# KiCad board first_keyboard.kicad_pcb (continued)
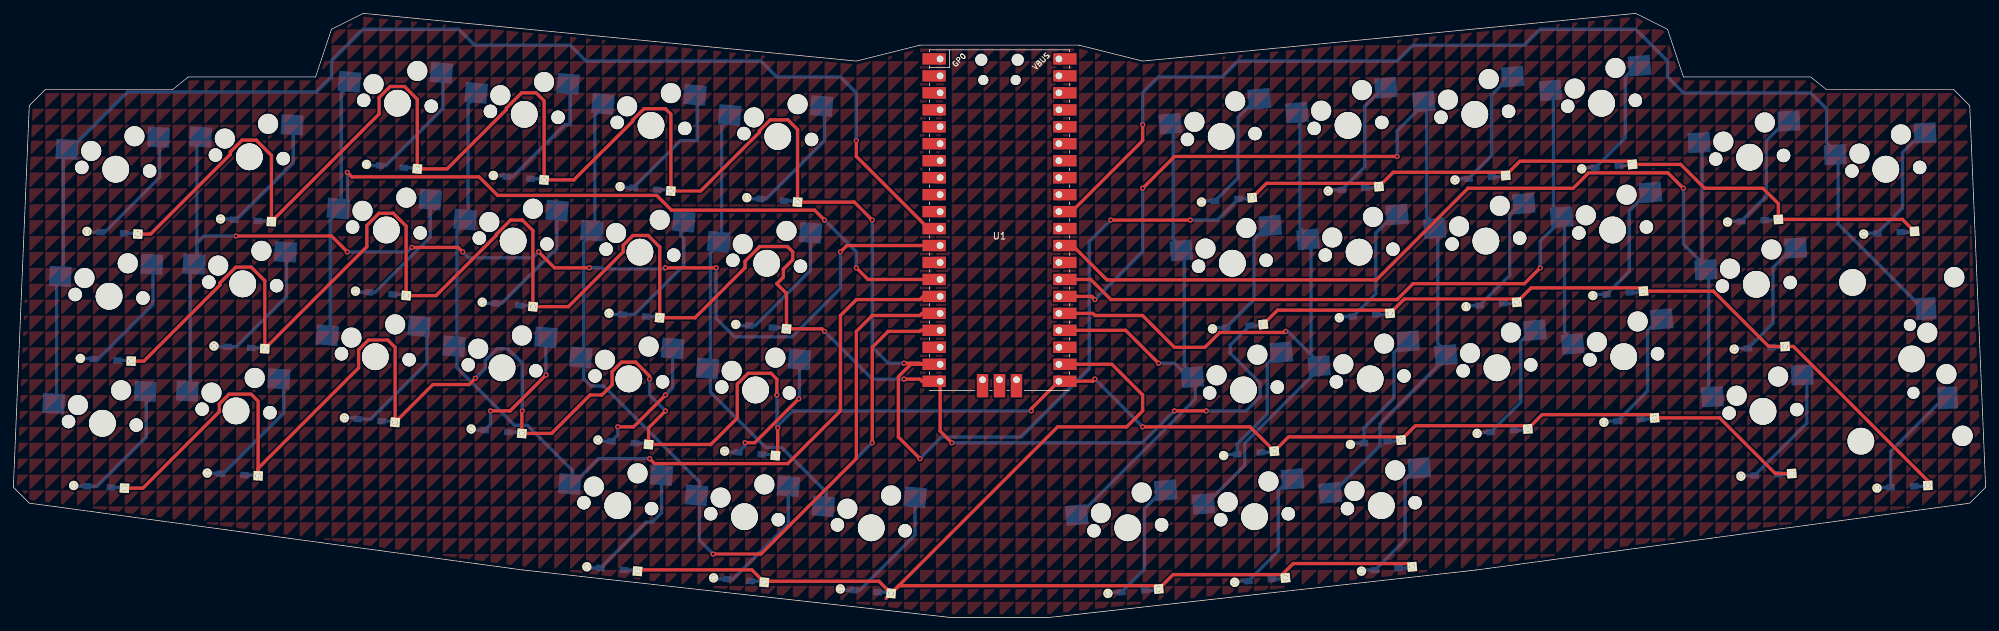
[diagram p0: board, top side]
## Copper pours and planes (outline as drawn; the poured copper is in the pictures) (continued)
(no net) on Top, Bottom: 276.22,119.06 276.22,116.68 278.61,119.06
(no net) on Top, Bottom: 280.99,-28.57 280.99,-30.96 283.37,-28.57
(no net) on Top, Bottom: 152.4,109.54 152.4,107.16 154.78,109.54
(no net) on Top, Bottom: 80.96,-2.38 80.96,-4.76 83.34,-2.38
(no net) on Top, Bottom: 154.78,7.14 154.78,4.76 157.16,7.14
(no net) on Top, Bottom: 145.26,140.49 145.26,138.11 147.64,140.49
(no net) on Top, Bottom: 23.81,42.86 23.81,40.48 26.19,42.86
(no net) on Top, Bottom: 192.88,0 192.88,-2.38 195.26,0
(no net) on Top, Bottom: 66.67,107.16 66.67,104.78 69.06,107.16
(no net) on Top, Bottom: 142.88,-35.72 142.88,-38.1 145.26,-35.72
(no net) on Top, Bottom: 69.06,21.43 69.06,19.05 71.44,21.43
(no net) on Top, Bottom: 54.77,-2.38 54.77,-4.76 57.15,-2.38
(no net) on Top, Bottom: 273.84,147.64 273.84,145.26 276.22,147.64
(no net) on Top, Bottom: 171.45,50.01 171.45,47.62 173.83,50.01
(no net) on Top, Bottom: 197.64,-38.1 197.64,-40.48 200.02,-38.1
(no net) on Top, Bottom: 230.98,42.86 230.98,40.48 233.36,42.86
(no net) on Top, Bottom: 42.86,97.63 42.86,95.25 45.24,97.63
(no net) on Top, Bottom: 178.59,138.11 178.59,135.73 180.98,138.11
(no net) on Top, Bottom: 97.63,-23.81 97.63,-26.19 100.01,-23.81
(no net) on Top, Bottom: 102.39,133.35 102.39,130.97 104.77,133.35
(no net) on Top, Bottom: 176.21,150.02 176.21,147.64 178.59,150.02
(no net) on Top, Bottom: 7.14,104.78 7.14,102.39 9.53,104.78
(no net) on Top, Bottom: 302.42,95.25 302.42,92.87 304.8,95.25
(no net) on Top, Bottom: 104.77,-38.1 104.77,-40.48 107.16,-38.1
(no net) on Top, Bottom: 242.89,71.44 242.89,69.06 245.27,71.44
(no net) on Top, Bottom: 54.77,21.43 54.77,19.05 57.15,21.43
(no net) on Top, Bottom: 235.74,66.68 235.74,64.29 238.12,66.68
(no net) on Top, Bottom: 180.98,0 180.98,-2.38 183.36,0
(no net) on Top, Bottom: 109.54,71.44 109.54,69.06 111.92,71.44
(no net) on Top, Bottom: 64.29,38.1 64.29,35.72 66.67,38.1
(no net) on Top, Bottom: 107.16,-9.53 107.16,-11.91 109.54,-9.53
(no net) on Top, Bottom: 97.63,142.88 97.63,140.49 100.01,142.88
(no net) on Top, Bottom: 73.82,61.91 73.82,59.53 76.2,61.91
(no net) on Top, Bottom: 230.98,147.64 230.98,145.26 233.36,147.64
(no net) on Top, Bottom: 28.58,59.53 28.58,57.15 30.96,59.53
(no net) on Top, Bottom: 38.1,-9.53 38.1,-11.91 40.48,-9.53
(no net) on Top, Bottom: 261.94,142.88 261.94,140.49 264.32,142.88
(no net) on Top, Bottom: 78.58,16.67 78.58,14.29 80.96,16.67
(no net) on Top, Bottom: 42.86,-2.38 42.86,-4.76 45.24,-2.38
(no net) on Top, Bottom: 242.89,90.49 242.89,88.11 245.27,90.49
(no net) on Top, Bottom: 69.06,57.15 69.06,54.77 71.44,57.15
(no net) on Top, Bottom: 104.77,7.14 104.77,4.76 107.16,7.14
(no net) on Top, Bottom: 252.41,128.59 252.41,126.21 254.79,128.59
(no net) on Top, Bottom: 42.86,145.26 42.86,142.88 45.24,145.26
(no net) on Top, Bottom: 2.38,28.57 2.38,26.19 4.76,28.57
(no net) on Top, Bottom: 100.01,14.29 100.01,11.91 102.39,14.29
(no net) on Top, Bottom: 280.99,42.86 280.99,40.48 283.37,42.86
(no net) on Top, Bottom: 188.12,40.48 188.12,38.1 190.5,40.48
(no net) on Top, Bottom: 273.84,54.77 273.84,52.39 276.22,54.77
(no net) on Top, Bottom: 80.96,11.91 80.96,9.53 83.34,11.91
(no net) on Top, Bottom: 242.89,-11.91 242.89,-14.29 245.27,-11.91
(no net) on Top, Bottom: 57.15,140.49 57.15,138.11 59.53,140.49
(no net) on Top, Bottom: 197.64,90.49 197.64,88.11 200.02,90.49
(no net) on Top, Bottom: 238.12,147.64 238.12,145.26 240.51,147.64
(no net) on Top, Bottom: 169.07,59.53 169.07,57.15 171.45,59.53
(no net) on Top, Bottom: 119.06,128.59 119.06,126.21 121.44,128.59
(no net) on Top, Bottom: 76.2,9.53 76.2,7.14 78.58,9.53
(no net) on Top, Bottom: 97.63,73.82 97.63,71.44 100.01,73.82
(no net) on Top, Bottom: 257.18,0 257.18,-2.38 259.56,0
(no net) on Top, Bottom: 304.8,38.1 304.8,35.72 307.18,38.1
(no net) on Top, Bottom: 219.07,85.72 219.07,83.34 221.46,85.72
(no net) on Top, Bottom: 57.15,-21.43 57.15,-23.81 59.53,-21.43
(no net) on Top, Bottom: 266.7,-28.57 266.7,-30.96 269.08,-28.57
(no net) on Top, Bottom: 88.11,123.83 88.11,121.44 90.49,123.83
(no net) on Top, Bottom: 180.98,138.11 180.98,135.73 183.36,138.11
(no net) on Top, Bottom: 9.53,-28.57 9.53,-30.96 11.91,-28.57
(no net) on Top, Bottom: 88.11,9.53 88.11,7.14 90.49,9.53
(no net) on Top, Bottom: 161.93,-19.05 161.93,-21.43 164.31,-19.05
(no net) on Top, Bottom: 14.29,111.92 14.29,109.54 16.67,111.92
(no net) on Top, Bottom: 71.44,-38.1 71.44,-40.48 73.82,-38.1
(no net) on Top, Bottom: 35.72,21.43 35.72,19.05 38.1,21.43
(no net) on Top, Bottom: 121.44,-19.05 121.44,-21.43 123.83,-19.05
(no net) on Top, Bottom: 7.14,-38.1 7.14,-40.48 9.53,-38.1
(no net) on Top, Bottom: 209.55,78.58 209.55,76.2 211.93,78.58
(no net) on Top, Bottom: 261.94,26.19 261.94,23.81 264.32,26.19
(no net) on Top, Bottom: 157.16,11.91 157.16,9.53 159.54,11.91
(no net) on Top, Bottom: 200.02,-35.72 200.02,-38.1 202.41,-35.72
(no net) on Top, Bottom: 135.73,-30.96 135.73,-33.34 138.11,-30.96
(no net) on Top, Bottom: 30.96,59.53 30.96,57.15 33.34,59.53
(no net) on Top, Bottom: 250.03,47.62 250.03,45.24 252.41,47.62
(no net) on Top, Bottom: 214.31,-2.38 214.31,-4.76 216.69,-2.38
(no net) on Top, Bottom: 233.36,69.06 233.36,66.68 235.74,69.06
(no net) on Top, Bottom: 119.06,-14.29 119.06,-16.67 121.44,-14.29
(no net) on Top, Bottom: 52.39,61.91 52.39,59.53 54.77,61.91
(no net) on Top, Bottom: 178.59,-30.96 178.59,-33.34 180.98,-30.96
(no net) on Top, Bottom: 14.29,-16.67 14.29,-19.05 16.67,-16.67
(no net) on Top, Bottom: 23.81,-2.38 23.81,-4.76 26.19,-2.38
(no net) on Top, Bottom: 38.1,100.01 38.1,97.63 40.48,100.01
(no net) on Top, Bottom: 161.93,42.86 161.93,40.48 164.31,42.86
(no net) on Top, Bottom: 197.64,140.49 197.64,138.11 200.02,140.49
(no net) on Top, Bottom: 145.26,61.91 145.26,59.53 147.64,61.91
(no net) on Top, Bottom: 302.42,135.73 302.42,133.35 304.8,135.73
(no net) on Top, Bottom: 207.17,4.76 207.17,2.38 209.55,4.76
(no net) on Top, Bottom: 164.31,71.44 164.31,69.06 166.69,71.44
(no net) on Top, Bottom: 300.04,14.29 300.04,11.91 302.42,14.29
(no net) on Top, Bottom: 219.07,42.86 219.07,40.48 221.46,42.86
(no net) on Top, Bottom: 245.27,19.05 245.27,16.67 247.65,19.05
(no net) on Top, Bottom: 59.53,9.53 59.53,7.14 61.91,9.53
(no net) on Top, Bottom: 38.1,4.76 38.1,2.38 40.48,4.76
(no net) on Top, Bottom: 157.16,52.39 157.16,50.01 159.54,52.39
(no net) on Top, Bottom: 161.93,92.87 161.93,90.49 164.31,92.87
(no net) on Top, Bottom: 171.45,150.02 171.45,147.64 173.83,150.02
(no net) on Top, Bottom: 50.01,76.2 50.01,73.82 52.39,76.2
(no net) on Top, Bottom: 273.84,38.1 273.84,35.72 276.22,38.1
(no net) on Top, Bottom: 164.31,69.06 164.31,66.68 166.69,69.06
(no net) on Top, Bottom: 59.53,95.25 59.53,92.87 61.91,95.25
(no net) on Top, Bottom: 233.36,33.34 233.36,30.96 235.74,33.34
(no net) on Top, Bottom: 185.74,57.15 185.74,54.77 188.12,57.15
(no net) on Top, Bottom: 150.02,100.01 150.02,97.63 152.4,100.01
(no net) on Top, Bottom: 166.69,88.11 166.69,85.72 169.07,88.11
(no net) on Top, Bottom: 42.86,107.16 42.86,104.78 45.24,107.16
(no net) on Top, Bottom: 233.36,61.91 233.36,59.53 235.74,61.91
(no net) on Top, Bottom: 92.87,128.59 92.87,126.21 95.25,128.59
(no net) on Top, Bottom: 257.18,-38.1 257.18,-40.48 259.56,-38.1
(no net) on Top, Bottom: 230.98,92.87 230.98,90.49 233.36,92.87
(no net) on Top, Bottom: 207.17,85.72 207.17,83.34 209.55,85.72
(no net) on Top, Bottom: 247.65,52.39 247.65,50.01 250.03,52.39
(no net) on Top, Bottom: 4.76,-2.38 4.76,-4.76 7.14,-2.38
(no net) on Top, Bottom: 28.58,97.63 28.58,95.25 30.96,97.63
(no net) on Top, Bottom: 202.41,-4.76 202.41,-7.14 204.79,-4.76
(no net) on Top, Bottom: 259.56,102.39 259.56,100.01 261.94,102.39
(no net) on Top, Bottom: 147.64,-35.72 147.64,-38.1 150.02,-35.72
(no net) on Top, Bottom: 271.46,130.97 271.46,128.59 273.84,130.97
(no net) on Top, Bottom: 159.54,92.87 159.54,90.49 161.93,92.87
(no net) on Top, Bottom: 130.97,102.39 130.97,100.01 133.35,102.39
(no net) on Top, Bottom: 202.41,-28.57 202.41,-30.96 204.79,-28.57
(no net) on Top, Bottom: 240.51,73.82 240.51,71.44 242.89,73.82
(no net) on Top, Bottom: 57.15,92.87 57.15,90.49 59.53,92.87
(no net) on Top, Bottom: 21.43,116.68 21.43,114.3 23.81,116.68
(no net) on Top, Bottom: 216.69,111.92 216.69,109.54 219.07,111.92
(no net) on Top, Bottom: 178.59,104.78 178.59,102.39 180.98,104.78
(no net) on Top, Bottom: 123.83,61.91 123.83,59.53 126.21,61.91
(no net) on Top, Bottom: 7.14,50.01 7.14,47.62 9.53,50.01
(no net) on Top, Bottom: 252.41,59.53 252.41,57.15 254.79,59.53
(no net) on Top, Bottom: 126.21,85.72 126.21,83.34 128.59,85.72
(no net) on Top, Bottom: 9.53,95.25 9.53,92.87 11.91,95.25
(no net) on Top, Bottom: 92.87,11.91 92.87,9.53 95.25,11.91
(no net) on Top, Bottom: 59.53,-4.76 59.53,-7.14 61.91,-4.76
(no net) on Top, Bottom: 280.99,97.63 280.99,95.25 283.37,97.63
(no net) on Top, Bottom: 140.49,-16.67 140.49,-19.05 142.88,-16.67
(no net) on Top, Bottom: 16.67,-7.14 16.67,-9.53 19.05,-7.14
(no net) on Top, Bottom: 2.38,102.39 2.38,100.01 4.76,102.39
(no net) on Top, Bottom: 228.6,30.96 228.6,28.57 230.98,30.96
(no net) on Top, Bottom: 109.54,140.49 109.54,138.11 111.92,140.49
(no net) on Top, Bottom: 109.54,88.11 109.54,85.72 111.92,88.11
(no net) on Top, Bottom: 95.25,-30.96 95.25,-33.34 97.63,-30.96
(no net) on Top, Bottom: 278.61,-38.1 278.61,-40.48 280.99,-38.1
(no net) on Top, Bottom: 264.32,140.49 264.32,138.11 266.7,140.49
(no net) on Top, Bottom: 47.62,88.11 47.62,85.72 50.01,88.11
(no net) on Top, Bottom: 26.19,-30.96 26.19,-33.34 28.58,-30.96
(no net) on Top, Bottom: 107.16,45.24 107.16,42.86 109.54,45.24
(no net) on Top, Bottom: 200.02,66.68 200.02,64.29 202.41,66.68
(no net) on Top, Bottom: 104.77,88.11 104.77,85.72 107.16,88.11
(no net) on Top, Bottom: 133.35,133.35 133.35,130.97 135.73,133.35
(no net) on Top, Bottom: 95.25,-21.43 95.25,-23.81 97.63,-21.43
(no net) on Top, Bottom: 292.89,147.64 292.89,145.26 295.27,147.64
(no net) on Top, Bottom: 145.26,76.2 145.26,73.82 147.64,76.2
(no net) on Top, Bottom: 164.31,21.43 164.31,19.05 166.69,21.43
(no net) on Top, Bottom: 219.07,73.82 219.07,71.44 221.46,73.82
(no net) on Top, Bottom: 185.74,-26.19 185.74,-28.57 188.12,-26.19
(no net) on Top, Bottom: 147.64,-26.19 147.64,-28.57 150.02,-26.19
(no net) on Top, Bottom: 104.77,-26.19 104.77,-28.57 107.16,-26.19
(no net) on Top, Bottom: 192.88,71.44 192.88,69.06 195.26,71.44
(no net) on Top, Bottom: 47.62,-21.43 47.62,-23.81 50.01,-21.43
(no net) on Top, Bottom: 21.43,-33.34 21.43,-35.72 23.81,-33.34
(no net) on Top, Bottom: 192.88,-9.53 192.88,-11.91 195.26,-9.53
(no net) on Top, Bottom: 114.3,88.11 114.3,85.72 116.68,88.11
(no net) on Top, Bottom: 250.03,-14.29 250.03,-16.67 252.41,-14.29
(no net) on Top, Bottom: 66.67,-4.76 66.67,-7.14 69.06,-4.76
(no net) on Top, Bottom: 30.96,-28.57 30.96,-30.96 33.34,-28.57
(no net) on Top, Bottom: 261.94,42.86 261.94,40.48 264.32,42.86
(no net) on Top, Bottom: 178.59,88.11 178.59,85.72 180.98,88.11
(no net) on Top, Bottom: 80.96,109.54 80.96,107.16 83.34,109.54
(no net) on Top, Bottom: 66.67,-2.38 66.67,-4.76 69.06,-2.38
(no net) on Top, Bottom: 202.41,61.91 202.41,59.53 204.79,61.91
(no net) on Top, Bottom: 35.72,-14.29 35.72,-16.67 38.1,-14.29
(no net) on Top, Bottom: 152.4,119.06 152.4,116.68 154.78,119.06
(no net) on Top, Bottom: 26.19,-4.76 26.19,-7.14 28.58,-4.76
(no net) on Top, Bottom: 247.65,119.06 247.65,116.68 250.03,119.06
(no net) on Top, Bottom: 138.11,19.05 138.11,16.67 140.49,19.05
(no net) on Top, Bottom: 283.37,66.68 283.37,64.29 285.75,66.68
(no net) on Top, Bottom: 285.75,61.91 285.75,59.53 288.13,61.91
(no net) on Top, Bottom: 97.63,71.44 97.63,69.06 100.01,71.44
(no net) on Top, Bottom: 121.44,100.01 121.44,97.63 123.83,100.01
(no net) on Top, Bottom: 276.22,73.82 276.22,71.44 278.61,73.82
(no net) on Top, Bottom: 150.02,64.29 150.02,61.91 152.4,64.29
(no net) on Top, Bottom: 140.49,142.88 140.49,140.49 142.88,142.88
(no net) on Top, Bottom: 76.2,88.11 76.2,85.72 78.58,88.11
(no net) on Top, Bottom: 128.59,19.05 128.59,16.67 130.97,19.05
(no net) on Top, Bottom: 169.07,-38.1 169.07,-40.48 171.45,-38.1
(no net) on Top, Bottom: 269.08,80.96 269.08,78.58 271.46,80.96
(no net) on Top, Bottom: 145.26,45.24 145.26,42.86 147.64,45.24
(no net) on Top, Bottom: 154.78,100.01 154.78,97.63 157.16,100.01
(no net) on Top, Bottom: 85.73,100.01 85.73,97.63 88.11,100.01
(no net) on Top, Bottom: 164.31,7.14 164.31,4.76 166.69,7.14
(no net) on Top, Bottom: 190.5,126.21 190.5,123.83 192.88,126.21
(no net) on Top, Bottom: 278.61,23.81 278.61,21.43 280.99,23.81
(no net) on Top, Bottom: 61.91,47.62 61.91,45.24 64.29,47.62
(no net) on Top, Bottom: 245.27,54.77 245.27,52.39 247.65,54.77
(no net) on Top, Bottom: 157.16,104.78 157.16,102.39 159.54,104.78
(no net) on Top, Bottom: 97.63,116.68 97.63,114.3 100.01,116.68
(no net) on Top, Bottom: 150.02,88.11 150.02,85.72 152.4,88.11
(no net) on Top, Bottom: 192.88,-38.1 192.88,-40.48 195.26,-38.1
(no net) on Top, Bottom: 188.12,145.26 188.12,142.88 190.5,145.26
(no net) on Top, Bottom: 290.51,16.67 290.51,14.29 292.89,16.67
(no net) on Top, Bottom: 292.89,123.83 292.89,121.44 295.27,123.83
(no net) on Top, Bottom: 83.34,95.25 83.34,92.87 85.73,95.25
(no net) on Top, Bottom: 66.67,-9.53 66.67,-11.91 69.06,-9.53
(no net) on Top, Bottom: 183.36,76.2 183.36,73.82 185.74,76.2
(no net) on Top, Bottom: 145.26,92.87 145.26,90.49 147.64,92.87
(no net) on Top, Bottom: 235.74,11.91 235.74,9.53 238.12,11.91
(no net) on Top, Bottom: 76.2,150.02 76.2,147.64 78.58,150.02
(no net) on Top, Bottom: 226.22,54.77 226.22,52.39 228.6,54.77
(no net) on Top, Bottom: 295.27,19.05 295.27,16.67 297.66,19.05
(no net) on Top, Bottom: 80.96,16.67 80.96,14.29 83.34,16.67
(no net) on Top, Bottom: 200.02,52.39 200.02,50.01 202.41,52.39
(no net) on Top, Bottom: 304.8,-35.72 304.8,-38.1 307.18,-35.72
(no net) on Top, Bottom: 142.88,9.53 142.88,7.14 145.26,9.53
(no net) on Top, Bottom: 57.15,9.53 57.15,7.14 59.53,9.53
(no net) on Top, Bottom: 104.77,-33.34 104.77,-35.72 107.16,-33.34
(no net) on Top, Bottom: 23.81,47.62 23.81,45.24 26.19,47.62
(no net) on Top, Bottom: 230.98,80.96 230.98,78.58 233.36,80.96
(no net) on Top, Bottom: 76.2,133.35 76.2,130.97 78.58,133.35
(no net) on Top, Bottom: 245.27,126.21 245.27,123.83 247.65,126.21
(no net) on Top, Bottom: 104.77,-9.53 104.77,-11.91 107.16,-9.53
(no net) on Top, Bottom: 59.53,147.64 59.53,145.26 61.91,147.64
(no net) on Top, Bottom: 300.04,73.82 300.04,71.44 302.42,73.82
(no net) on Top, Bottom: 230.98,64.29 230.98,61.91 233.36,64.29
(no net) on Top, Bottom: 121.44,14.29 121.44,11.91 123.83,14.29
(no net) on Top, Bottom: 0,26.19 0,23.81 2.38,26.19
(no net) on Top, Bottom: 221.46,-9.53 221.46,-11.91 223.84,-9.53
(no net) on Top, Bottom: 76.2,142.88 76.2,140.49 78.58,142.88
(no net) on Top, Bottom: 130.97,14.29 130.97,11.91 133.35,14.29
(no net) on Top, Bottom: 273.84,76.2 273.84,73.82 276.22,76.2
(no net) on Top, Bottom: 92.87,114.3 92.87,111.92 95.25,114.3
(no net) on Top, Bottom: 154.78,73.82 154.78,71.44 157.16,73.82
(no net) on Top, Bottom: 178.59,-28.57 178.59,-30.96 180.98,-28.57
(no net) on Top, Bottom: 157.16,69.06 157.16,66.68 159.54,69.06
(no net) on Top, Bottom: 126.21,73.82 126.21,71.44 128.59,73.82
(no net) on Top, Bottom: 33.34,21.43 33.34,19.05 35.72,21.43
(no net) on Top, Bottom: 188.12,-23.81 188.12,-26.19 190.5,-23.81
(no net) on Top, Bottom: 254.79,-16.67 254.79,-19.05 257.18,-16.67
(no net) on Top, Bottom: 159.54,42.86 159.54,40.48 161.93,42.86
(no net) on Top, Bottom: 128.59,45.24 128.59,42.86 130.97,45.24
(no net) on Top, Bottom: 300.04,133.35 300.04,130.97 302.42,133.35
(no net) on Top, Bottom: 228.6,19.05 228.6,16.67 230.98,19.05
(no net) on Top, Bottom: 109.54,114.3 109.54,111.92 111.92,114.3
(no net) on Top, Bottom: 300.04,119.06 300.04,116.68 302.42,119.06
(no net) on Top, Bottom: 59.53,-38.1 59.53,-40.48 61.91,-38.1
(no net) on Top, Bottom: 285.75,42.86 285.75,40.48 288.13,42.86
(no net) on Top, Bottom: 228.6,45.24 228.6,42.86 230.98,45.24
(no net) on Top, Bottom: 0,78.58 0,76.2 2.38,78.58
(no net) on Top, Bottom: 200.02,121.44 200.02,119.06 202.41,121.44
(no net) on Top, Bottom: 33.34,19.05 33.34,16.67 35.72,19.05
(no net) on Top, Bottom: 30.96,-30.96 30.96,-33.34 33.34,-30.96
(no net) on Top, Bottom: 261.94,73.82 261.94,71.44 264.32,73.82
(no net) on Top, Bottom: 173.83,-4.76 173.83,-7.14 176.21,-4.76
(no net) on Top, Bottom: 83.34,-38.1 83.34,-40.48 85.73,-38.1
(no net) on Top, Bottom: 183.36,59.53 183.36,57.15 185.74,59.53
(no net) on Top, Bottom: 278.61,-28.57 278.61,-30.96 280.99,-28.57
(no net) on Top, Bottom: 142.88,-9.53 142.88,-11.91 145.26,-9.53
(no net) on Top, Bottom: 188.12,142.88 188.12,140.49 190.5,142.88
(no net) on Top, Bottom: 300.04,-26.19 300.04,-28.57 302.42,-26.19
(no net) on Top, Bottom: 138.11,147.64 138.11,145.26 140.49,147.64
(no net) on Top, Bottom: 9.53,-23.81 9.53,-26.19 11.91,-23.81
(no net) on Top, Bottom: 247.65,116.68 247.65,114.3 250.03,116.68
(no net) on Top, Bottom: 57.15,54.77 57.15,52.39 59.53,54.77
(no net) on Top, Bottom: 183.36,11.91 183.36,9.53 185.74,11.91
(no net) on Top, Bottom: 11.91,30.96 11.91,28.57 14.29,30.96
(no net) on Top, Bottom: 269.08,16.67 269.08,14.29 271.46,16.67
(no net) on Top, Bottom: 138.11,38.1 138.11,35.72 140.49,38.1
(no net) on Top, Bottom: 247.65,107.16 247.65,104.78 250.03,107.16
(no net) on Top, Bottom: 50.01,2.38 50.01,0 52.39,2.38
(no net) on Top, Bottom: 11.91,-11.91 11.91,-14.29 14.29,-11.91
(no net) on Top, Bottom: 245.27,16.67 245.27,14.29 247.65,16.67
(no net) on Top, Bottom: 247.65,33.34 247.65,30.96 250.03,33.34
(no net) on Top, Bottom: 221.46,61.91 221.46,59.53 223.84,61.91
(no net) on Top, Bottom: 92.87,-30.96 92.87,-33.34 95.25,-30.96
(no net) on Top, Bottom: 233.36,-7.14 233.36,-9.53 235.74,-7.14
(no net) on Top, Bottom: 200.02,135.73 200.02,133.35 202.41,135.73
(no net) on Top, Bottom: 304.8,50.01 304.8,47.62 307.18,50.01
(no net) on Top, Bottom: 114.3,54.77 114.3,52.39 116.68,54.77
(no net) on Top, Bottom: 135.73,135.73 135.73,133.35 138.11,135.73
(no net) on Top, Bottom: 133.35,100.01 133.35,97.63 135.73,100.01
(no net) on Top, Bottom: 304.8,28.57 304.8,26.19 307.18,28.57
(no net) on Top, Bottom: 138.11,-26.19 138.11,-28.57 140.49,-26.19
(no net) on Top, Bottom: 207.17,19.05 207.17,16.67 209.55,19.05
(no net) on Top, Bottom: 278.61,142.88 278.61,140.49 280.99,142.88
(no net) on Top, Bottom: 83.34,135.73 83.34,133.35 85.73,135.73
(no net) on Top, Bottom: 216.69,-21.43 216.69,-23.81 219.07,-21.43
(no net) on Top, Bottom: 280.99,14.29 280.99,11.91 283.37,14.29
(no net) on Top, Bottom: 107.16,140.49 107.16,138.11 109.54,140.49
(no net) on Top, Bottom: 247.65,59.53 247.65,57.15 250.03,59.53
(no net) on Top, Bottom: 269.08,130.97 269.08,128.59 271.46,130.97
(no net) on Top, Bottom: 78.58,138.11 78.58,135.73 80.96,138.11
(no net) on Top, Bottom: 40.48,59.53 40.48,57.15 42.86,59.53
(no net) on Top, Bottom: 159.54,123.83 159.54,121.44 161.93,123.83
(no net) on Top, Bottom: 138.11,-35.72 138.11,-38.1 140.49,-35.72
(no net) on Top, Bottom: 266.7,4.76 266.7,2.38 269.08,4.76
(no net) on Top, Bottom: 42.86,-9.53 42.86,-11.91 45.24,-9.53
(no net) on Top, Bottom: 247.65,7.14 247.65,4.76 250.03,7.14
(no net) on Top, Bottom: 166.69,-21.43 166.69,-23.81 169.07,-21.43
(no net) on Top, Bottom: 278.61,16.67 278.61,14.29 280.99,16.67
(no net) on Top, Bottom: 159.54,38.1 159.54,35.72 161.93,38.1
(no net) on Top, Bottom: 233.36,26.19 233.36,23.81 235.74,26.19
(no net) on Top, Bottom: 269.08,19.05 269.08,16.67 271.46,19.05
(no net) on Top, Bottom: 85.73,135.73 85.73,133.35 88.11,135.73
(no net) on Top, Bottom: 166.69,23.81 166.69,21.43 169.07,23.81
(no net) on Top, Bottom: 176.21,35.72 176.21,33.34 178.59,35.72
(no net) on Top, Bottom: 88.11,26.19 88.11,23.81 90.49,26.19
(no net) on Top, Bottom: 161.93,97.63 161.93,95.25 164.31,97.63
(no net) on Top, Bottom: 14.29,2.38 14.29,0 16.67,2.38
(no net) on Top, Bottom: 19.05,23.81 19.05,21.43 21.43,23.81
(no net) on Top, Bottom: 107.16,-28.57 107.16,-30.96 109.54,-28.57
(no net) on Top, Bottom: 150.02,-33.34 150.02,-35.72 152.4,-33.34
(no net) on Top, Bottom: 190.5,-35.72 190.5,-38.1 192.88,-35.72
(no net) on Top, Bottom: 47.62,92.87 47.62,90.49 50.01,92.87
(no net) on Top, Bottom: 7.14,-19.05 7.14,-21.43 9.53,-19.05
(no net) on Top, Bottom: 169.07,52.39 169.07,50.01 171.45,52.39
(no net) on Top, Bottom: 16.67,-33.34 16.67,-35.72 19.05,-33.34
(no net) on Top, Bottom: 297.66,42.86 297.66,40.48 300.04,42.86
(no net) on Top, Bottom: 130.97,-14.29 130.97,-16.67 133.35,-14.29
(no net) on Top, Bottom: 130.97,90.49 130.97,88.11 133.35,90.49
(no net) on Top, Bottom: 178.59,42.86 178.59,40.48 180.98,42.86
(no net) on Top, Bottom: 138.11,50.01 138.11,47.62 140.49,50.01
(no net) on Top, Bottom: 11.91,85.72 11.91,83.34 14.29,85.72
(no net) on Top, Bottom: 45.24,123.83 45.24,121.44 47.62,123.83
(no net) on Top, Bottom: 57.15,114.3 57.15,111.92 59.53,114.3
(no net) on Top, Bottom: 95.25,102.39 95.25,100.01 97.63,102.39
(no net) on Top, Bottom: 226.22,-38.1 226.22,-40.48 228.6,-38.1
(no net) on Top, Bottom: 259.56,130.97 259.56,128.59 261.94,130.97
(no net) on Top, Bottom: 109.54,109.54 109.54,107.16 111.92,109.54
(no net) on Top, Bottom: 202.41,85.72 202.41,83.34 204.79,85.72
(no net) on Top, Bottom: 269.08,147.64 269.08,145.26 271.46,147.64
(no net) on Top, Bottom: 2.38,-2.38 2.38,-4.76 4.76,-2.38
(no net) on Top, Bottom: 121.44,140.49 121.44,138.11 123.83,140.49
(no net) on Top, Bottom: 161.93,54.77 161.93,52.39 164.31,54.77
(no net) on Top, Bottom: 88.11,-26.19 88.11,-28.57 90.49,-26.19
(no net) on Top, Bottom: 157.16,138.11 157.16,135.73 159.54,138.11
(no net) on Top, Bottom: 11.91,4.76 11.91,2.38 14.29,4.76
(no net) on Top, Bottom: 102.39,23.81 102.39,21.43 104.77,23.81
(no net) on Top, Bottom: 223.84,7.14 223.84,4.76 226.22,7.14
(no net) on Top, Bottom: 35.72,130.97 35.72,128.59 38.1,130.97
(no net) on Top, Bottom: 47.62,19.05 47.62,16.67 50.01,19.05
(no net) on Top, Bottom: 90.49,33.34 90.49,30.96 92.87,33.34
(no net) on Top, Bottom: 138.11,9.53 138.11,7.14 140.49,9.53
(no net) on Top, Bottom: 192.88,-7.14 192.88,-9.53 195.26,-7.14
(no net) on Top, Bottom: 26.19,7.14 26.19,4.76 28.58,7.14
(no net) on Top, Bottom: 259.56,76.2 259.56,73.82 261.94,76.2
(no net) on Top, Bottom: 292.89,59.53 292.89,57.15 295.27,59.53
(no net) on Top, Bottom: 102.39,64.29 102.39,61.91 104.77,64.29
(no net) on Top, Bottom: 223.84,61.91 223.84,59.53 226.22,61.91
(no net) on Top, Bottom: 257.18,-30.96 257.18,-33.34 259.56,-30.96
(no net) on Top, Bottom: 283.37,21.43 283.37,19.05 285.75,21.43
(no net) on Top, Bottom: 216.69,-28.57 216.69,-30.96 219.07,-28.57
(no net) on Top, Bottom: 245.27,0 245.27,-2.38 247.65,0
(no net) on Top, Bottom: 107.16,-26.19 107.16,-28.57 109.54,-26.19
(no net) on Top, Bottom: 47.62,-33.34 47.62,-35.72 50.01,-33.34
(no net) on Top, Bottom: 183.36,28.57 183.36,26.19 185.74,28.57
(no net) on Top, Bottom: 57.15,61.91 57.15,59.53 59.53,61.91
(no net) on Top, Bottom: 59.53,38.1 59.53,35.72 61.91,38.1
(no net) on Top, Bottom: 185.74,140.49 185.74,138.11 188.12,140.49
(no net) on Top, Bottom: 33.34,-14.29 33.34,-16.67 35.72,-14.29
(no net) on Top, Bottom: 235.74,104.78 235.74,102.39 238.12,104.78
(no net) on Top, Bottom: 71.44,-4.76 71.44,-7.14 73.82,-4.76
(no net) on Top, Bottom: 188.12,28.57 188.12,26.19 190.5,28.57
(no net) on Top, Bottom: 252.41,138.11 252.41,135.73 254.79,138.11
(no net) on Top, Bottom: 304.8,-21.43 304.8,-23.81 307.18,-21.43
(no net) on Top, Bottom: 64.29,50.01 64.29,47.62 66.67,50.01
(no net) on Top, Bottom: 202.41,9.53 202.41,7.14 204.79,9.53
(no net) on Top, Bottom: 88.11,-11.91 88.11,-14.29 90.49,-11.91
(no net) on Top, Bottom: 92.87,-16.67 92.87,-19.05 95.25,-16.67
(no net) on Top, Bottom: 121.44,69.06 121.44,66.68 123.83,69.06
(no net) on Top, Bottom: 245.27,-2.38 245.27,-4.76 247.65,-2.38
(no net) on Top, Bottom: 297.66,119.06 297.66,116.68 300.04,119.06
(no net) on Top, Bottom: 109.54,135.73 109.54,133.35 111.92,135.73
(no net) on Top, Bottom: 61.91,130.97 61.91,128.59 64.29,130.97
(no net) on Top, Bottom: 116.68,121.44 116.68,119.06 119.06,121.44
(no net) on Top, Bottom: 164.31,61.91 164.31,59.53 166.69,61.91
(no net) on Top, Bottom: 45.24,40.48 45.24,38.1 47.62,40.48
(no net) on Top, Bottom: 226.22,2.38 226.22,0 228.6,2.38
(no net) on Top, Bottom: 47.62,142.88 47.62,140.49 50.01,142.88
(no net) on Top, Bottom: 59.53,-11.91 59.53,-14.29 61.91,-11.91
(no net) on Top, Bottom: 102.39,97.63 102.39,95.25 104.77,97.63
(no net) on Top, Bottom: 226.22,104.78 226.22,102.39 228.6,104.78
(no net) on Top, Bottom: 190.5,145.26 190.5,142.88 192.88,145.26
(no net) on Top, Bottom: 140.49,14.29 140.49,11.91 142.88,14.29
(no net) on Top, Bottom: 185.74,19.05 185.74,16.67 188.12,19.05
(no net) on Top, Bottom: 95.25,61.91 95.25,59.53 97.63,61.91
(no net) on Top, Bottom: 104.77,26.19 104.77,23.81 107.16,26.19
(no net) on Top, Bottom: 92.87,14.29 92.87,11.91 95.25,14.29
(no net) on Top, Bottom: 150.02,-23.81 150.02,-26.19 152.4,-23.81
(no net) on Top, Bottom: 7.14,61.91 7.14,59.53 9.53,61.91
